# Altium PCB DIOT_temperature_logger.PCBDOC (part 4 of 5)
Units mm, origin at the board's own origin, x right, y up, seen from the top; angles counter-clockwise.
Board outline 238.48 x 100 mm, 4 copper layers (TOP, G1, L2, BOT), stack 1.55 mm thick; 582 components, 585 nets, 2348 pads, 974 vias.
Unrouted connection lines stored in the file: 797.
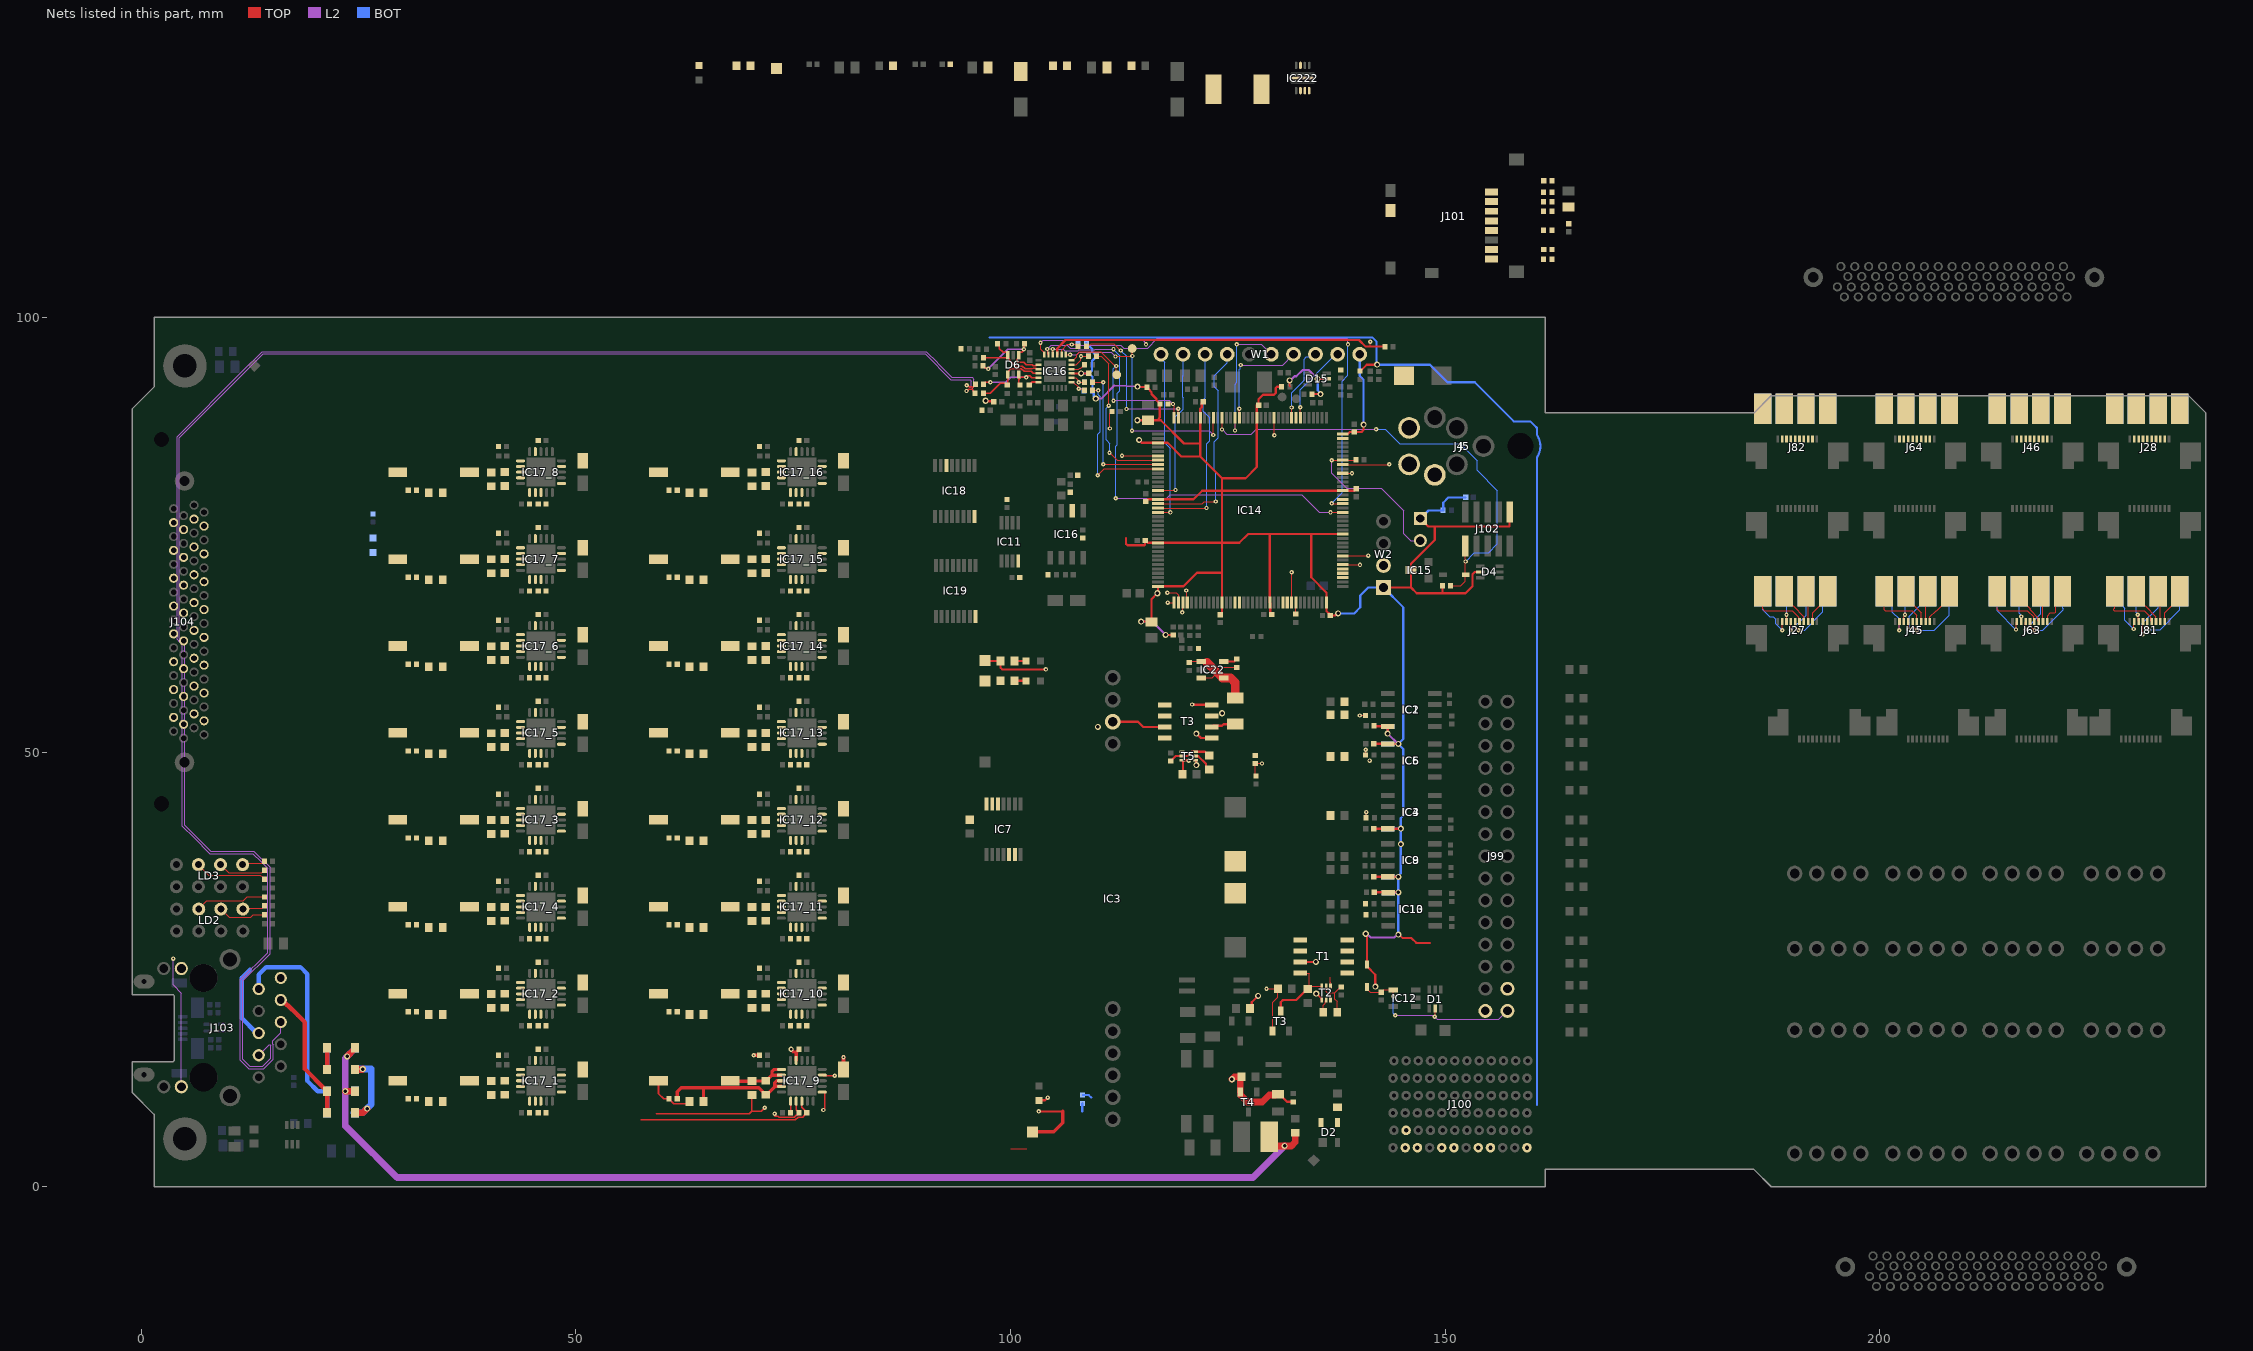
[diagram p6: the nets of this part, all layers, seen from the top]

## Via types
v1: diameter 0.5, hole 0.2, TOP to BOT, tented both sides, 922 vias
v2: diameter 0.7, hole 0.4, TOP to BOT, tented both sides, 39 vias
v3: diameter 0.5, hole 0.2, TOP to BOT, 5 vias
v4: diameter 0.66, hole 0.33, TOP to BOT, tented both sides, 5 vias
v5: diameter 0.6, hole 0.3, TOP to BOT, tented both sides, 2 vias
v6: diameter 0.6, hole 0.3, TOP to BOT, 1 vias

## Nets (pads, with @x,y where several pads share a name; then routed paths per layer and width w, separated by ;. In a path a pad name is that pad's centre, name@x,y a point inside that pad or via, vN(x,y) a via of type N, cw(c..) or ccw(c..) an arc to the next point about the centre after c; other vN are vias at no path point) (continued)
NetIC14_73: IC14.73 R23.1 | length 1.4
  TOP w0.127: v1(118.097,67.192) 118.098,67.194 IC14.73@118.828,67.194 ; R23.1@140.905,42.463 140.919,42.477 v1(140.919,43.098)
NetIC14_75: IC14.75 R25.1 | length 1.8
  TOP w0.127: v1(119.761,66.064) 119.828,66.131 IC14.75@119.828,67.194 ; R25.1@140.842,49.667 v1@140.842,50.279
  BOT w0.127: v1@140.842,50.279 v1(140.843,50.281)
NetIC14_76: IC14.76 R10.1@140.808,54.211 | length 2.1
  TOP w0.127: v1(120.218,68.589) 120.273,68.534 120.273,67.248 IC14.76@120.328,67.194 ; v1(140.18,54.211) R10.1@140.808,54.211
NetIC14_87: IC14.87 R38.1
NetIC14_88: IC14.88 R39.1
NetIC14_101: IC14.101 R50.1 | length 1.3
  TOP w0.127: R50.1@132.828,65.869 IC14.101@132.828,67.194
NetIC14_114: IC14.114 R31.2@130.75,22.784 T3.1@130.137,17.921 | length 8.4
  TOP w0.127: v1(129.45,22.784) R31.2@130.75,22.784 130.75,22.734 130.75,21.816 130.137,21.203 T3.1@130.137,17.921 ; IC14.114@138.203,71.569 138.223,71.548 140.18,71.548 v1(140.2,71.528)
NetIC14_138: IC14.138 JP1.2 R40.1 | length 19.2
  TOP w0.127: v1(136.951,83.569) IC14.138@138.203,83.569 139.699,83.569 R40.1@139.73,83.6
  L2 w0.127: v1(136.951,83.569) 136.951,82.049 138.65,80.35 142.653,80.35 145.247,77.756 145.247,75.103 146.029,74.321 JP1.2@147.131,74.321
NetIC16_7: IC16.7@105.837,77.761 R96.1 | length 1.7
  TOP w0.508: R96.1@105.825,79.5 105.825,77.773 IC16.7@105.837,77.761
NetIC16_7: IC16.7@107.02,92.55 R83.2 R86.2 | length 2.7
  TOP w0.127: IC16.7@107.02,92.55 107.225,92.55 107.773,92.001 107.773,91.946 107.873,91.847 107.928,91.847 108.001,91.774 108.326,91.774 R86.2@108.5,91.6
  BOT w0.127: v1(107.845,91.774) 107.892,91.822 108.248,91.822 108.475,91.595 R83.2@108.475,91.575
NetIC16_8: IC16.8@107.02,93.05 R82.2 R85.2@108.506,92.55 | length 2.3
  TOP w0.127: IC16.8@107.02,93.05 107.505,93.05 107.778,92.777 107.778,92.722 107.873,92.628 v1@107.927,92.628 ; v1@108.005,92.55 R85.2@108.506,92.55
  BOT w0.127: v1(107.85,92.55) R82.2@108.506,92.55
NetIC16_10: IC16.10 R87.1 | length 1.7
  TOP w0.127: IC16.10@107.02,94.05 107.863,94.05 107.937,94.124 108.1,94.124 108.506,94.53 R87.1@108.506,94.55
NetIC16_11: IC16.11 R84.2 R89.2 | length 3.5
  TOP w0.127: IC16.11@107.02,94.55 107.555,94.55 108.094,95.089 108.094,95.489 v1@108.127,95.522 ; v1(108.102,95.529) 108.962,95.529 R89.2@108.97,95.522
  BOT w0.127: v1(108.102,95.529) 108.937,95.529 R84.2@108.945,95.522
NetIC16_14: IC16.14 R92.2 R93.2 | length 3.6
  TOP w0.127: IC16.14@105.87,95.7 105.87,96.235 106.514,96.88 107.593,96.88 R93.2@107.778,96.695
  BOT w0.127: v1(107.055,96.88) 107.613,96.88 R92.2@107.778,97.045
NetIC16_24: IC16.24 R88.1 | length 1.2
  TOP w0.254: R88.1@102.145,92.245 102.165,92.245 102.47,92.55 IC16.24@103.22,92.55
NetIC17_1_1: IC17_1.1 IC17_1.2 R97_1.1 R99_1.1 SW1_1.1
NetIC17_1_3: IC17_1.3 IC17_1.4 R95_1.1 R96_1.1 R97_1.2
NetIC17_1_6: IC17_1.6 R98_1.2
NetIC17_2_1: IC17_2.1 IC17_2.2 R97_2.1 R99_2.1 SW1_2.1
NetIC17_2_3: IC17_2.3 IC17_2.4 R95_2.1 R96_2.1 R97_2.2
NetIC17_2_6: IC17_2.6 R98_2.2
NetIC17_3_1: IC17_3.1 IC17_3.2 R97_3.1 R99_3.1 SW1_3.1
NetIC17_3_3: IC17_3.3 IC17_3.4 R95_3.1 R96_3.1 R97_3.2
NetIC17_3_6: IC17_3.6 R98_3.2
NetIC17_4_1: IC17_4.1 IC17_4.2 R97_4.1 R99_4.1 SW1_4.1
NetIC17_4_3: IC17_4.3 IC17_4.4 R95_4.1 R96_4.1 R97_4.2
NetIC17_4_6: IC17_4.6 R98_4.2
NetIC17_5_1: IC17_5.1 IC17_5.2 R97_5.1 R99_5.1 SW1_5.1
NetIC17_5_3: IC17_5.3 IC17_5.4 R95_5.1 R96_5.1 R97_5.2
NetIC17_5_6: IC17_5.6 R98_5.2
NetIC17_6_1: IC17_6.1 IC17_6.2 R97_6.1 R99_6.1 SW1_6.1
NetIC17_6_3: IC17_6.3 IC17_6.4 R95_6.1 R96_6.1 R97_6.2
NetIC17_6_6: IC17_6.6 R98_6.2
NetIC17_7_1: IC17_7.1 IC17_7.2 R97_7.1 R99_7.1 SW1_7.1
NetIC17_7_3: IC17_7.3 IC17_7.4 R95_7.1 R96_7.1 R97_7.2
NetIC17_7_6: IC17_7.6 R98_7.2
NetIC17_8_1: IC17_8.1 IC17_8.2 R97_8.1 R99_8.1 SW1_8.1
NetIC17_8_3: IC17_8.3 IC17_8.4 R95_8.1 R96_8.1 R97_8.2
NetIC17_8_6: IC17_8.6 R98_8.2
NetIC17_9_1: IC17_9.1 IC17_9.2 R97_9.1 R99_9.1 SW1_9.1 | length 7.8
  TOP w0.381: SW1_9.1@67.773,12.147 70.25,12.147 R99_9.1@70.276,12.174 71.85,12.174 71.873,12.174 71.9,12.2 71.95,12.2 72.209,12.46 72.209,12.506 72.553,12.85 ; IC17_9.2@73.65,12.85 72.553,12.85 ; IC17_9.1@73.65,13.5 72.802,13.5 72.579,13.277 72.579,12.876 72.553,12.85
NetIC17_9_3: IC17_9.3 IC17_9.4 R95_9.1 R96_9.1 R97_9.2 | length 16.5
  TOP w0.381: R96_9.1@61.672,10.121 61.672,10.958 62.112,11.398 64.598,11.398 71.052,11.398 R97_9.2@71.85,10.6 71.9,10.6 71.95,10.6 72.884,11.535 72.884,11.984 73.1,12.2 IC17_9.3@73.65,12.2 ; R95_9.1@64.694,9.818 64.694,11.302 ; 72.884,11.55 IC17_9.4@73.65,11.55
NetIC17_9_6: IC17_9.6 R98_9.2 | length 1.3
  TOP w0.152: R98_9.2@74.7,8.53 IC17_9.6@74.7,9.85
NetIC17_10_1: IC17_10.1 IC17_10.2 R97_10.1 R99_10.1 SW1_10.1
NetIC17_10_3: IC17_10.3 IC17_10.4 R95_10.1 R96_10.1 R97_10.2
NetIC17_10_6: IC17_10.6 R98_10.2
NetIC17_11_1: IC17_11.1 IC17_11.2 R97_11.1 R99_11.1 SW1_11.1
NetIC17_11_3: IC17_11.3 IC17_11.4 R95_11.1 R96_11.1 R97_11.2
NetIC17_11_6: IC17_11.6 R98_11.2
NetIC17_12_1: IC17_12.1 IC17_12.2 R97_12.1 R99_12.1 SW1_12.1
NetIC17_12_3: IC17_12.3 IC17_12.4 R95_12.1 R96_12.1 R97_12.2
NetIC17_12_6: IC17_12.6 R98_12.2
NetIC17_13_1: IC17_13.1 IC17_13.2 R97_13.1 R99_13.1 SW1_13.1
NetIC17_13_3: IC17_13.3 IC17_13.4 R95_13.1 R96_13.1 R97_13.2
NetIC17_13_6: IC17_13.6 R98_13.2
NetIC17_14_1: IC17_14.1 IC17_14.2 R97_14.1 R99_14.1 SW1_14.1
NetIC17_14_3: IC17_14.3 IC17_14.4 R95_14.1 R96_14.1 R97_14.2
NetIC17_14_6: IC17_14.6 R98_14.2
NetIC17_15_1: IC17_15.1 IC17_15.2 R97_15.1 R99_15.1 SW1_15.1
NetIC17_15_3: IC17_15.3 IC17_15.4 R95_15.1 R96_15.1 R97_15.2
NetIC17_15_6: IC17_15.6 R98_15.2
NetIC17_16_1: IC17_16.1 IC17_16.2 R97_16.1 R99_16.1 SW1_16.1
NetIC17_16_3: IC17_16.3 IC17_16.4 R95_16.1 R96_16.1 R97_16.2
NetIC17_16_6: IC17_16.6 R98_16.2
NetIC22_1: IC22.1 R141.1 R154.2 | length 1.2
  TOP w0.127: R154.2@120.578,60.318 120.69,60.431 121.668,60.431 IC22.1@121.607,60.492
NetIC22_3: IC22.3 R131.1 | length 4.6
  TOP w0.127: IC22.3@121.95,58.531 123.215,58.531 124.435,59.751 R131.1@126,59.751
NetIC222_2: IC222.2 L555.1
NetIC222_5: IC222.5 R222.2 R333.1
NetIC222_10: IC222.10 R888.1
NetJ103_L1: J103.L1 R71.2
NetJ103_L3: J103.L3 R79.2 | length 15.1
  L2 w0.127: v1(3.7,26.25) 3.689,26.239 3.689,23.234 4.639,22.284 J103.L3@4.639,11.51
NetLD1_1: LD1.1 R35.2@26.679,77.39 | length 1.8
  TOP w0.127: 100.018,4.353 101.856,4.353
NetLD2_2: LD2.2@4.099,31.946 R58.2 | length 10.8
  TOP w0.127: LD2.2@4.099,31.946 5.294,30.752 13.699,30.752 13.948,30.502 13.968,30.502 14.195,30.276 R58.2@14.195,30.256
NetLD2_2: LD2.2@103.272,9.953 R90.1@108.275,10.545 | length 2.3
  TOP w0.254: LD2.2@103.272,9.953 103.974,9.953 104.285,10.264 v1(104.283,10.264)
  BOT w0.254: R90.1@108.275,10.545 109.002,10.545 109.283,10.264
NetLD2_4: LD2.4 R59.2 | length 8.1
  TOP w0.127: LD2.4@6.639,31.946 7.58,32.887 11.744,32.887 12.195,33.337 R59.2@14.195,33.337
NetLD2_6: LD2.6 R61.2 | length 5.5
  TOP w0.127: LD2.6@9.179,31.946 10.12,31.006 12.627,31.006 12.904,31.283 R61.2@14.195,31.283
NetLD2_8: LD2.8 R64.2@14.195,32.31 | length 2.6
  TOP w0.127: LD2.8@11.719,31.946 11.836,32.063 13.968,32.063 R64.2@14.195,32.29
NetLD3_2: LD3.2@4.06,37.052 R65.2@14.195,34.364 | length 12
  TOP w0.127: LD3.2@4.06,37.052 5.431,35.68 6.761,35.68 7.87,34.572 7.87,34.451 8.75,33.571 12.07,33.571 12.862,34.364 R65.2@14.195,34.364
NetLD3_2: LD3.2@101.789,58.197 R94.2@100.466,58.205 | length 1.3
  TOP w0.254: R94.2@100.466,58.205 100.474,58.197 LD3.2@101.789,58.197
NetLD3_4: LD3.4 R66.2@14.195,35.391 | length 8.3
  TOP w0.127: LD3.4@6.6,37.052 7.795,35.857 13.728,35.857 13.948,35.637 13.968,35.637 14.195,35.411 R66.2@14.195,35.391
NetLD3_6: LD3.6 R68.2@14.195,36.418 | length 5.6
  TOP w0.127: LD3.6@9.14,37.052 10.081,36.111 13.908,36.111 14.195,36.398 R68.2@14.195,36.418
NetLD3_8: LD3.8 R69.2@14.195,37.445 | length 3
  TOP w0.127: LD3.8@11.68,37.052 11.827,37.198 13.5,37.198 ; 13.5,37.2 13.968,37.2 R69.2@14.195,37.426 ; R69.2@13.968,37.198 14.195,37.425 R69.2@14.195,37.426 ; R69.2@14.195,37.445 R69.2@14.195,37.426
NetLD6_2: LD6.2 R10.2@100.466,60.476 | length 1.3
  TOP w0.254: R10.2@100.466,60.476 100.474,60.468 LD6.2@101.789,60.468
NetLD10_2: LD10.2 R54.2@70.1,128.925
NetR26_1: R26.1 T2.2 | length 1.6
  TOP w0.127: R26.1@135.97,20.071 135.97,20.873 136.212,21.116 136.212,21.42 T2.2@136.299,21.506
NetR26_2: R26.2 R27.2 T2.3 T2.5 | length 5.9
  TOP w0.127: T2.5@136.299,23.086 136.299,22.448 136.441,22.306 136.875,22.306 ; T2.3@136.799,21.506 136.799,22.23 136.875,22.306 ; R26.2@137.57,20.071 137.57,21.322 137.31,21.582 137.31,22.306 ; R27.2@138.02,22.996 138,22.996 137.31,22.306 ; 136.875,22.306 137.31,22.306
NetR28_2: R28.2 T1.4 T2.6 T3.3@131.087,20.221 | length 8.9
  TOP w0.127: T1.4@133.32,24.591 134.286,24.591 134.36,24.517 134.36,22.916 134.53,23.086 T2.6@135.799,23.086
  TOP w0.254: T3.3@131.087,20.221 131.087,21.222 131.349,21.484 132.877,21.484 ; 132.877,21.484 134.14,22.746 R28.2@134.19,22.746
NetR65_1: R65.1@122.865,48 T5.2 | length 2.4
  TOP w0.254: T5.2@121.29,49.55 121.313,49.527 121.608,49.527 122.492,48.642 122.492,48.323 122.815,48 R65.1@122.865,48
NetR65_2: R65.2@122.865,49.6 R85.2@118.415,48.978 T5.3 T5.5 | length 5.1
  TOP w0.254: R85.2@118.415,48.978 118.435,48.978 119.007,49.55 T5.5@119.71,49.55 120.376,49.55 120.853,50.027 121.267,50.027 T5.3@121.29,50.05 122.366,50.05 122.815,49.6 R65.2@122.865,49.6
NetR68_2: R68.2@119.8,47.458 T3.4 T5.6 | length 4.4
  TOP w0.254: T5.6@119.71,49.05 T5.6@119.805,49.05 ; R68.2@119.828,47.733 119.828,49.027 T5.6@119.805,49.05 ; v1(120.5,49.014) 120.464,49.014 120.428,49.05 T5.6@119.805,49.05 ; v1(120.887,55.48) 120.912,55.456 123.141,55.456 T3.4@123.165,55.431
NetR95_1_2: R95_1.2 R96_1.2 SW1_1.2
NetR95_2_2: R95_2.2 R96_2.2 SW1_2.2
NetR95_3_2: R95_3.2 R96_3.2 SW1_3.2
NetR95_4_2: R95_4.2 R96_4.2 SW1_4.2
NetR95_5_2: R95_5.2 R96_5.2 SW1_5.2
NetR95_6_2: R95_6.2 R96_6.2 SW1_6.2
NetR95_7_2: R95_7.2 R96_7.2 SW1_7.2
NetR95_8_2: R95_8.2 R96_8.2 SW1_8.2
NetR95_9_2: R95_9.2 R96_9.2 SW1_9.2 | length 5.6
  TOP w0.2: SW1_9.2@59.523,12.2 59.523,10.7 60.102,10.121 R96_9.2@60.732,10.121 ; R96_9.2@60.732,10.101 61.275,9.558 62.835,9.558 R95_9.2@63.094,9.818
NetR95_10_2: R95_10.2 R96_10.2 SW1_10.2
NetR95_11_2: R95_11.2 R96_11.2 SW1_11.2
NetR95_12_2: R95_12.2 R96_12.2 SW1_12.2
NetR95_13_2: R95_13.2 R96_13.2 SW1_13.2
NetR95_14_2: R95_14.2 R96_14.2 SW1_14.2
NetR95_15_2: R95_15.2 R96_15.2 SW1_15.2
NetR95_16_2: R95_16.2 R96_16.2 SW1_16.2
P3V0REF: C27.2@106.875,79.9 C38.1@107.75,81.832 IC16.6@107.107,77.761 R54.1@68.5,128.925 R67.2@111.681,89.175 TP10.1 | length 2.1
  TOP w0.127: v1(111.43,87.224) 111.43,88.924 R67.2@111.681,89.175
  L2 w0.127: v1@111.385,87.179 v1(111.43,87.224)
P3V3: C1.2 C2.2 C3.2@141.762,50.968 C5.2@141.762,35.656 C8.2 C13.1 C14.2 C22.1 C23.1 C24.1 C25.1 C26.1 C27.1@116.207,64.95 C28.1 C29.1 C30.1 C31.1 C32.1 C33.1 C41.2 C48_1.1 C48_2.1 C48_3.1 C48_4.1 C48_5.1 C48_6.1 C48_7.1 C48_8.1 C48_9.1 C48_10.1 C48_11.1 C48_12.1 C48_13.1 C48_14.1 C48_15.1 C48_16.1 C49_1.1 C49_2.1 C49_3.1 C49_4.1 C49_5.1 C49_6.1 C49_7.1 C49_8.1 C49_9.1 C49_10.1 C49_11.1 C49_12.1 C49_13.1 C49_14.1 C49_15.1 C49_16.1 C666.2 C777.2 C888.2 D2.4 D3.2 D4.5 D15.5 IC1.1 IC2.8 IC3.1@143.394,41.193 IC4.8 IC5.8 IC6.1@143.394,50.937 IC8.1 IC9.8 IC10.8 IC13.1 IC14.17 IC14.30 IC14.39 IC14.52 IC14.62 IC14.72 IC14.84 IC14.95 IC14.108 IC14.121 IC14.131 IC14.143 IC14.144 IC15.3 IC16.9 IC17_1.19 IC17_2.19 IC17_3.19 IC17_4.19 IC17_5.19 IC17_6.19 IC17_7.19 IC17_8.19 IC17_9.19 IC17_10.19 IC17_11.19 IC17_12.19 IC17_13.19 IC17_14.19 IC17_15.19 IC17_16.19 IC18.6 IC18.16 IC19.16 IC222.6 J101.4 J102.1 JP1.1 L1.2@115.693,91.951 L2.2 L3_1.2 L3_2.2 L3_3.2 L3_4.2 L3_5.2 L3_6.2 L3_7.2 L3_8.2 L3_9.2 L3_10.2 L3_11.2 L3_12.2 L3_13.2 L3_14.2 L3_15.2 L3_16.2 L555.2 LD1.2 R16.2@127.534,20.502 R37.1 R43.2 R48.2 R51.2 R52.2 R53.2 R54.2@162.26,110 R55.2 R56.2 R57.2 R60.2 R62.1 R63.1 R67.2@108.293,74.599 R70.1 R82.1 R83.1 R84.1 R90.1@117.177,90.037 R92.1 R94.1@98.866,58.205 R333.2 TP8.1 W1.10 W2.1 | length 323.9
  TOP w0.254: v2(97.136,90.41) 97.191,90.355 98.016,90.355 L2.2@98.071,90.3 ; IC16.9@107.02,93.55 v2(108.127,93.55) C41.2@108.99,93.55 ; 113.293,74.599 113.293,73.931 113.448,73.777 115.407,73.777 115.482,73.852 C29.1@115.482,74.341 115.754,74.069 IC14.62@116.953,74.069 124.328,74.069 ; v2(114.588,88.169) C33.1@115.828,88.169 116.863,88.169 ; v2(114.606,92.03) 114.645,91.99 115.653,91.99 L1.2@115.693,91.951 ; v2(114.781,85.894) 115.106,85.569 IC14.39@116.953,85.569 118.072,85.569 119.647,83.993 121.828,83.993 ; v2(115.017,65.011) 116.146,65.011 C27.1@116.207,64.95 116.207,67.581 v2(116.894,68.269) 116.953,68.327 IC14.72@116.953,69.069 119.886,69.069 121.449,70.631 124.328,70.631 ; C23.1@115.553,78.819 115.803,79.069 IC14.52@116.953,79.069 121.057,79.069 122.057,80.069 124.328,80.069 ; L1.2@115.693,92.03 L1.2@115.693,91.951 ; v2(117.85,63.475) 117.865,63.46 R43.2@118.7,63.46 ; C24.1@122.178,90.3 121.995,90.117 121.995,89.667 121.828,89.5 121.828,85.489 ; C30.1@124.111,65.809 124.328,66.026 124.328,70.631 ; R16.2@127.211,20.129 127.534,20.452 R16.2@127.534,20.502 127.753,20.722 127.753,21.234 v2(128.48,21.962) ; C26.1@128.328,89.912 IC14.17@128.328,88.444 128.328,82.777 127.044,81.493 124.328,81.493 ; C26.1@128.535,89.912 128.535,90.603 129.041,91.108 130.308,91.108 130.503,91.303 130.503,91.872 130.645,92.014 R63.1@131.194,92.014 ; C31.1@130.028,65.819 129.876,65.971 129.876,67.146 IC14.95@129.828,67.194 129.828,75.021 129.876,75.069 ; v2(132.103,92.755) 132.103,92.197 132.134,92.034 ; R62.1@134.688,91.175 v2(135.653,91.175) ; v2(135.328,92.925) D15.5@136.375,92.925 D15.5@136.448,92.998 ; v2(137.687,65.95) 137.574,65.95 137.333,65.708 C32.1@136.778,65.708 136.595,65.891 136.595,65.971 136.328,66.238 IC14.108@136.328,67.194 136.328,68.36 134.587,70.1 134.587,75.069 ; R48.2@137.98,93.97 R48.2@138,93.97 R48.2@138.02,93.97 ; IC14.121@138.203,75.069 134.587,75.069 ; IC14.144@138.203,86.569 138.753,86.569 139.003,86.819 C28.1@139.553,86.819 140.37,86.819 140.613,87.061 v2(140.613,87.664) ; C25.1@139.778,80.269 139.578,80.069 IC14.131@138.203,80.069 124.328,80.069 ; v2(140.862,29.108) 141,28.97 D3.2@141,25.565 141,25.365 141.961,24.404 v2(141.961,23.038) ; C5.2@141.762,35.656 IC9.8@143.394,35.656 v2(144.602,35.656) ; C1.2@141.762,41.193 IC4.8@143.394,41.193 v2(144.893,41.193) ; C3.2@141.762,50.968 141.777,50.952 143.378,50.952 IC6.1@143.394,50.937 ; C8.2@141.812,53.025 141.854,52.983 143.351,52.983 IC2.8@143.394,52.941 143.394,52.14 v2(143.378,52.124) ; C2.2@141.845,33.875 v2(144.602,33.875) ; W2.1@142.9,68.92 146.056,68.92 ; IC6.1@143.394,50.937 v2(144.602,50.936) ; v2(144.602,29.007) 144.723,29.007 145.126,28.604 146.114,28.604 146.658,28.06 146.658,28.04 ; 146.71,28.091 146.659,28.04 ; JP1.1@147.131,76.861 148.053,75.939 148.793,75.939 ; 148.217,28.04 146.659,28.04 ; R70.1@149.684,69.119 R70.1@149.686,69.121 149.686,68.269 ; D4.5@154.04,70.713 153.389,70.713 153.15,70.474 153.15,69.095 152.324,68.269 149.686,68.269 ; J102.1@157.4,77.5 157.4,75.939 148.793,75.939 ; L1.2@115.693,91.951 115.693,91.941 116.059,91.575 116.059,91.536 116.207,91.388 116.207,91.174 116.782,90.599 116.782,90.452 117.177,90.057 R90.1@117.177,90.037 117.177,88.482 116.863,88.169 ; 116.863,88.169 117.27,88.169 119.949,85.489 121.828,85.489 ; 121.828,83.993 121.828,85.489 ; 121.828,83.993 124.328,81.493 ; 124.328,70.631 124.328,74.069 ; 124.328,74.069 124.328,80.069 ; 124.328,74.069 126.305,74.069 127.305,75.069 129.876,75.069 ; 124.328,80.069 124.328,81.493 ; 129.876,75.069 134.587,75.069 ; 146.056,68.92 146.708,68.269 149.686,68.269 ; 146.056,68.92 IC15.3@146.056,70.921 146.056,71.663 148.793,74.4 148.793,75.939
  TOP w0.381: v1@70.5,15.148 L3_9.2@71.125,15.148 ; v6(74.762,15.83) 75.092,15.5 75.35,15.5 ; IC17_9.19@75.35,14.55 75.35,15.5 ; C48_9.1@75.68,15.83 75.35,15.5
  TOP w0.5: C49_9.1@80.8,13.5 v1(80.8,14.913)
  L2 w0.254: v2(109.8,90.65) 110.442,90.65 111.968,92.176 114.606,92.034 v2(114.606,92.03) ; v2@109.979,52.823 v2(110.047,52.891) ; v2(115.017,65.011) 116.314,65.011 v2(117.85,63.475) ; v2(132.103,92.755) 132.195,92.755 132.666,93.226 132.873,93.226 133.576,93.929 134.323,93.929 v2(135.328,92.925) ; v2(140.862,29.108) 140.983,29.108 141.42,28.671 144.146,28.671 144.482,29.007 v2(144.602,29.007) ; v2(143.378,52.124) 143.396,52.124 144.584,50.936 v2(144.602,50.936)
  BOT w0.254: v2(108.127,93.55) 109.034,93.55 ; R92.1@108.718,97.045 108.718,97.025 109.393,96.35 109.393,96.034 109.885,95.542 R84.1@109.885,95.522 109.885,95.502 109.362,94.98 109.362,93.879 109.034,93.55 ; v2(109.8,90.65) 109.566,90.884 109.566,91.424 R83.1@109.415,91.575 109.415,93.169 109.034,93.55 ; v2(135.328,92.925) 135.328,91.621 135.653,91.296 v2(135.653,91.175) ; v2(137.687,65.95) 139.528,65.95 140.223,66.645 140.223,68.004 141.138,68.92 W2.1@142.9,68.92 145.175,66.645 145.175,51.509 v2(144.602,50.936) ; W1.10@140.16,95.756 140.16,93.288 140.613,92.835 v2(140.613,87.664) ; v2(143.378,52.124) 143.378,52.925 IC1.1@143.394,52.941 ; IC8.1@143.394,35.656 v2(144.602,35.656) 144.602,35.777 144.893,36.068 v2(144.893,39.408) v2(144.893,41.193) ; IC3.1@143.394,41.193 v2(144.893,41.193) ; IC5.8@143.394,50.936 v2(144.602,50.936) ; IC10.8@143.425,33.83 144.557,33.83 v2(144.602,33.875) ; v2(144.602,29.007) v2(144.602,33.875) ; v2@144.602,35.64 v2(144.602,33.875) ; JP1.1@147.131,76.861 148.066,77.796 R60.2@149.761,77.796 149.761,78.676 150.383,79.297 C22.1@152.343,79.297 ; v2(144.602,50.936) 145.175,50.364 145.175,42.673 144.893,42.392 v2(144.893,41.193)
  other v1: 70.477,15.125
P3V3_MP: C4.2@95.325,42.226 C6.2@142.643,22.392 C7.2@101.069,70.079 D1.5 D3.1 IC7.14 IC11.8 IC12.4 J99.30 R10.1@98.866,60.476 TP3.1 | length 28.6
  TOP w0.127: D3.1@141,22.765 141.373,22.392 C6.2@142.643,22.392 142.903,22.652 IC12.4@144.019,22.652 v1(144.019,21.902) ; v1(148.794,19.559) 148.837,19.603 D1.5@148.837,20.502
  TOP w0.254: TP3.1@97.076,60.524 97.124,60.476 R10.1@98.866,60.476 98.866,59.71 99.066,59.51 v1(104.074,59.51)
  L2 w0.127: v1(144.254,19.721) 148.531,19.721 148.693,19.559 v1(148.794,19.559) 149.105,19.248 156.164,19.248 J99.30@157.154,20.238
  BOT w0.127: v1(144.019,21.902) 144.019,19.982 144.254,19.746 v1(144.254,19.721)
P12V0: D333.2 IC22.4 J100.A1 J100.D1 J100.E1 J100.G1 J100.H1 J100.J1 J100.K1 R41.2 R69.2@125.85,56.211 R90.2@108.275,9.605 R97.1 TP6.1 | length 163.9
  TOP w0.254: v1(103.257,8.677) 105.998,8.677 ; R97.1@104.33,70.4 R97.1@104.33,70.42 ; R41.2@140.2,93.804 140.22,93.804 140.972,94.556 v2(142.167,94.556)
  TOP w0.4: TP6.1@102.517,6.325 104.956,6.325 105.998,7.366 105.998,8.677
  TOP w1.016: 122.589,60.318 IC22.4@124.376,58.531 ; IC22.4@124.55,58.531 125.304,58.531 125.85,57.985 R69.2@125.85,56.211
  BOT w0.254: 97.569,97.696 141.606,97.696 142.109,97.192 142.109,94.614 v2(142.167,94.556) 145.263,94.556 148.238,94.556 150.263,92.531 153.387,92.531 157.881,88.036 159.791,88.036 160.471,87.357 160.545,87.282 160.545,86.474 cw(c158.641,85.185) 160.941,85.181 160.941,85.164 cw(c158.641,85.185) 160.545,83.895 160.545,9.415 ; 108.257,8.677 108.257,9.587 R90.2@108.275,9.605
P12V0_EEM: J99.28 J99.29 T1.5 T1.6 T1.7 T1.8 T2.4 | length 1.1
  TOP w0.127: T2.4@136.799,23.086 136.799,23.5 136.777,23.522 136.777,23.627 136.799,23.649 136.799,24.117 ; T1.5@138.664,24.647 T1.5@138.72,24.591
P12V0_IN: D24.1 IC22.5 J4.3@148.797,81.885 J5.3@145.841,87.285 J5.4@145.841,83.085 R69.1@125.85,53.211 R131.2 T1.1 T1.2 T1.3 T2.1 T3.1@123.165,51.621 T3.2@123.165,52.891 T3.3@123.165,54.161 T5.1 | length 9.5
  TOP w0.254: T5.1@121.29,49.05 121.352,49.05 121.375,49.027 121.333,49.027 121.333,48.546 v2(121.375,48.504) ; v2(121.375,52.124) 121.404,52.124 121.906,51.621 T3.1@123.165,51.621 ; T3.2@123.165,52.891 123.3,53.026 124.321,53.026 124.506,53.211 R69.1@125.85,53.211 ; IC22.5@124.55,60.431 124.8,60.431 R131.2@125.728,60.431 ; T1.3@133.32,25.861 T1.3@133.32,25.861 v2(135.129,25.863) v2(135.129,25.863) ; v2(135.161,22.222) 135.218,22.222 135.799,21.641 T2.1@135.799,21.506
  other v2: 124.328,54.471
P12V0_POE: C3.1@125.85,37.458 C4.1@125.85,33.742 IC3.8@111.76,53.485 R30.2@128.141,49.633 T3.5 T3.6 T3.7 T3.8 T5.4 | length 6.3
  TOP w0.254: IC3.8@111.76,53.485 114.662,53.485 115.256,52.891 T3.7@117.765,52.891
PC13: IC14.7 W1.9 | length 9.2
  TOP w0.127: IC14.7@133.328,88.444 v1(133.328,89.675)
  BOT w0.127: v1(133.328,89.675) 133.328,91.689 137.394,95.756 W1.9@137.62,95.756
PC14: IC14.8
PC15: IC14.9 W1.8 | length 8.9
  TOP w0.127: IC14.9@132.328,88.444 v1(132.328,89.628)
  BOT w0.127: v1(132.328,89.628) 132.328,91.311 133.764,92.747 133.764,95.184 134.039,95.459 134.783,95.459 W1.8@135.08,95.756
PF9: IC14.21
PF9_ADCIN: W1.7 | length 12.7
  TOP w0.127: 126.328,88.444 v1(126.328,89.5)
  L2 w0.127: v1(126.481,94.518) 131.302,94.518 W1.7@132.54,95.756
  BOT w0.127: v1(126.328,89.5) 126.328,94.014 126.41,94.096 126.41,94.446 v1(126.481,94.518)
PF10: IC14.22
PF10_ADCIN: W1.6 | length 15.9
  TOP w0.127: v1(125.828,86.994) 125.828,88.444
  L2 w0.127: v1(126.035,96.888) 127.257,96.888 128.868,96.888 W1.6@130,95.756
  BOT w0.127: v1(125.828,86.994) 125.828,92.324 126.035,92.531 v1(126.035,96.888)
PF12: IC14.50 W1.2 | length 18
  TOP w0.127: IC14.50@116.953,80.069 116.987,80.103 118.939,80.103 v1(118.974,80.137)
  BOT w0.127: v1(118.974,80.137) 118.974,88.546 119.84,89.413 119.84,90.773 119.818,90.795 119.818,93.273 119.84,93.295 W1.2@119.84,95.756
PF13: IC14.53 W1.4 | length 24.7
  TOP w0.127: IC14.53@116.953,78.569 122.026,78.569 122.276,78.819 v1(123.6,78.819)
  BOT w0.127: v1(123.6,78.819) 123.6,82.223 123.435,82.388 123.435,85.691 123.876,86.132 123.876,91.572 123.435,92.013 123.435,93.301 124.92,94.786 W1.4@124.92,95.756
PF14: IC14.54 W1.3 | length 23.8
  TOP w0.127: IC14.54@116.953,78.069 122.544,78.069 v1(122.55,78.075)
  BOT w0.127: W1.3@122.38,95.756 122.418,95.718 122.418,90.729 122.178,90.488 122.178,89.172 122.887,88.462 122.887,85.827 122.542,85.482 122.542,78.083 v1(122.55,78.075)
PF15: IC14.55 W1.1 | length 20.1
  TOP w0.127: IC14.55@116.953,77.569 v1(118.391,77.569)
  BOT w0.127: W1.1@117.3,95.756 117.3,95.265 117.743,94.822 117.743,85.588 118.391,84.941 v1(118.391,77.569)
PFORCE_N0: J27.5 J35.1 | length 7.4
  TOP w0.127: J27.5@190.255,65 190.255,64.416 v1(190.644,64.027)
  BOT w0.127: v1(190.644,64.027) 191.334,64.027 193.433,66.125 193.433,67.938 J35.1@193.995,68.5
PFORCE_N1: J27.9 J43.1 | length 4.2
  TOP w0.127: J27.9@192.245,65 192.245,66 193.995,67.75 J43.1@193.995,68.5
PFORCE_N2: J45.5 J53.1 | length 8.4
  TOP w0.127: J45.5@203.755,65 203.841,64.913 203.841,64.404 v1(204.245,64)
  BOT w0.127: v1(204.245,64) 206.267,64 207.995,65.728 J53.1@207.995,68.5
PFORCE_N3: J45.9 J61.1 | length 4.5
  TOP w0.127: J45.9@205.745,65 205.745,65.562 206.444,66.261 206.505,66.261 207.995,67.75 J61.1@207.995,68.5
PFORCE_N4: J63.5 J71.1 | length 7.7
  TOP w0.127: J63.5@217.255,65 217.341,64.913 217.341,64.432 v1(217.774,64)
  BOT w0.127: v1(217.774,64) 218.705,64 221.071,66.366 221.071,66.481 220.995,66.557 J71.1@220.995,68.5
PFORCE_N5: J63.9 J79.1 | length 4.5
  TOP w0.127: J63.9@219.245,65 219.274,65.029 219.274,65.689 219.585,66 220.12,66 220.195,66.074 220.195,67.7 J79.1@220.995,68.5
PFORCE_N6: J81.5 J89.1 | length 7.6
  TOP w0.127: J81.5@230.755,65 230.755,64.327 230.884,64.198 v1(230.884,64.097)
  BOT w0.127: v1(230.884,64.097) 232.226,64.097 234.495,66.365 J89.1@234.495,68.5
PFORCE_N7: J81.9 J97.1 | length 4.2
  TOP w0.127: J81.9@232.745,65 232.745,66 234.495,67.75 J97.1@234.495,68.5
PFORCE_N8: J28.5 J36.1
PFORCE_N9: J28.9 J44.1
PFORCE_N10: J46.5 J54.1
PFORCE_N11: J46.9 J62.1
PFORCE_N12: J64.5 J72.1
PFORCE_N13: J64.9 J80.1
PFORCE_N14: J82.5 J90.1
PFORCE_N15: J82.9 J98.1
PFORCE_P0: J27.2 J29.1 | length 6.6
  TOP w0.127: J27.2@188.745,65 188.749,64.996 188.749,64.022 v1(188.754,64.018)
  BOT w0.127: J29.1@186.495,68.5 186.495,66.398 187.329,65.563 187.715,65.563 187.988,65.29 187.988,64.783 v1(188.754,64.018)
PFORCE_P1: J27.6 J37.1 | length 7.1
  TOP w0.127: J37.1@186.495,68.5 186.495,66.481 186.715,66.261 189.887,66.261 190.658,65.489 190.658,65.087 J27.6@190.745,65
PFORCE_P2: J45.2 J47.1 | length 6.2
  TOP w0.127: v1(202.214,64.027) 202.229,64.042 202.229,64.985 J45.2@202.245,65
  BOT w0.127: J47.1@200.495,68.5 201.431,67.564 201.431,66.097 202.214,65.315 v1(202.214,64.027)
PFORCE_P3: J45.6 J55.1 | length 6.9
  TOP w0.127: J55.1@200.495,68.5 200.495,66.361 200.595,66.261 203.733,66.261 204.245,65.749 J45.6@204.245,65
PFORCE_P4: J63.2 J65.1 | length 6.2
  TOP w0.127: v1(215.635,64.097) 215.69,64.152 215.69,64.945 J63.2@215.745,65
  BOT w0.127: J65.1@213.495,68.5 213.495,66.237 v1(215.635,64.097)
PFORCE_P5: J63.6 J73.1 | length 7.2
  TOP w0.127: J73.1@213.495,68.5 213.495,66.4 213.635,66.26 216.96,66.26 217.658,65.562 217.658,65.087 J63.6@217.745,65
PFORCE_P6: J81.2 J83.1 | length 6.1
  TOP w0.127: v1(229.174,64.152) 229.209,64.188 229.209,64.965 J81.2@229.245,65
  BOT w0.127: J83.1@226.995,68.5 226.995,67.75 228.174,66.571 228.174,65.152 v1(229.174,64.152)
PFORCE_P7: J81.6 J91.1 | length 7.4
  TOP w0.127: J91.1@226.995,68.5 226.995,66.559 226.897,66.462 226.897,66.335 226.972,66.261 230.403,66.261 231.158,65.505 231.158,65.087 J81.6@231.245,65
PFORCE_P8: J28.2 J30.1
PFORCE_P9: J28.6 J38.1
PFORCE_P10: J46.2 J48.1
PFORCE_P11: J46.6 J56.1
PFORCE_P12: J64.2 J66.1
PFORCE_P13: J64.6 J74.1
PFORCE_P14: J82.2 J84.1
PFORCE_P15: J82.6 J92.1
PGOOD: IC222.7
PHY_NRST: IC14.129 IC16.15 R94.2@143.059,96.631 | length 39.7
  TOP w0.127: 141.364,96.631 v1(141.364,97.192)
  TOP w0.254: IC16.15@105.37,95.7 105.37,96.426 106.336,97.392 140.084,97.392 140.845,96.631 141.364,96.631 R94.2@143.059,96.631
PHY_RD_N: D6.1 IC16.22 R78.1 R80.2 | length 8.8
  TOP w0.152: R78.1@96.869,91.285 97.67,91.285 98.794,92.409 99.392,92.409 R80.2@99.606,92.195 99.66,92.249 99.66,93.705 99.906,93.952 99.906,93.989 100.025,94.108 101.244,94.108 101.573,93.779 102.4,93.779 102.629,93.55 IC16.22@103.22,93.55
PHY_RD_P: D6.3 IC16.23 R77.1 R81.2 | length 9
  TOP w0.152: R77.1@96.899,92.3 96.899,92.32 97.113,92.534 97.186,92.534 97.202,92.55 v1@97.649,92.55 ; 100.96,92.926 D6.3@100.96,93.43 ; R81.2@101.09,92.195 100.96,92.325 100.96,92.848 101.006,92.895 101.006,92.926 101.097,93.017 101.171,93.091 101.762,93.091 101.803,93.05 101.837,93.05 102.066,93.279 102.193,93.279 102.421,93.05 IC16.23@103.22,93.05
  L2 w0.152: v1(97.69,92.55) 99.476,92.55 100.017,93.091 v1(101.803,93.091)
PHY_TD_N: D6.4 IC16.20 R73.1 R75.1 | length 11.9
  TOP w0.152: R75.1@96.973,94.569 R75.1@96.839,94.435 96.839,94.415 97.053,94.201 97.073,94.201 97.138,94.136 97.365,94.136 v1(97.431,94.069) ; v1(101.543,96.345) 101.543,96.869 101.543,96.889 R73.1@101.606,96.952 101.606,96.889 101.606,96.345 101.476,96.215 101.476,96.146 101.299,95.969 101.083,95.969 100.96,95.846 100.96,95.355 100.72,95.116 100.72,94.952 100.81,94.863 101.498,94.863 101.826,94.536 102.525,94.536 102.621,94.44 102.904,94.44 103.015,94.55 IC16.20@103.22,94.55
  L2 w0.152: v1(97.431,94.069) 99.706,96.345 v1(101.543,96.345)
PHY_TD_P: D6.6 IC16.21 R72.1 R74.1 | length 9.3
  TOP w0.152: R74.1@96.869,95.335 96.889,95.355 D6.6@99.66,95.355 ; R72.1@98.521,96.96 98.734,96.747 98.734,96.409 99.174,95.969 99.536,95.969 99.66,95.846 D6.6@99.66,95.355 ; IC16.21@103.22,94.05 103.015,94.05 102.904,94.16 102.624,94.16 102.525,94.061 101.687,94.061 101.359,94.388 100.59,94.388 99.906,95.071 99.906,95.108 D6.6@99.66,95.355
POE_IN1: D7.2 D11.1 J103.5 | length 11.1
  BOT w0.508: 12.537,24.982 11.585,24.031 11.585,19.406 13.316,17.675 J103.5@13.539,17.675 ; D11.1@21.4,13.5 D7.2@21.4,16
POE_IN2: D8.2 D12.1 J103.8 | length 15.4
  TOP w0.508: J103.8@16.079,21.485 16.237,21.485 16.823,20.899 16.889,20.899 18.033,19.754 18.85,18.938 18.85,13.55 21.114,11.286 21.194,11.286 21.4,11.08 D8.2@21.4,11 ; D12.1@21.4,8.5 21.4,10.9 D8.2@21.5,11
POE_IN3: D9.2 D13.1 J103.10 | length 2.5
  TOP w0.508: D13.1@21.4,13.5 D9.2@21.4,16
POE_IN4: D10.2 D14.1 J103.9 | length 25.5
  BOT w0.508: J103.9@13.539,22.755 13.539,24.408 14.402,25.271 18.329,25.271 19.141,24.459 19.141,12.178 20.319,11 D10.2@21.4,11 D14.1@21.4,8.5
POE_PWR_SRC: IC14.13 R30.1@128.141,48.693 R31.2@128.234,47.256 | length 4.3
  TOP w0.127: R31.2@128.234,47.256 128.141,47.349 R30.1@128.141,48.693 v1(128.919,48.693) ; IC14.13@130.328,88.444 130.339,88.432 130.339,86.436 v1(130.35,86.425)
  other v1: 141.302,49.02
POE_VC+: D7.1 D8.1 D9.1 D10.1 L1.1@129.772,5.74 R14.2@132.75,6.222 | length 129
  TOP w0.762: v2(23.5,11) D8.1@24.5,11 ; v2(23.7,15) 24.521,15.821 D9.1@24.521,15.841 ; L1.1@129.747,5.283 130.331,4.699 131.362,4.699 v2(131.525,4.699) 132.304,4.699 132.75,5.145 R14.2@132.75,6.222
  L2 w0.762: v2(23.7,15) 23.5,14.8 23.5,7 26.569,3.931 26.593,3.931 27.431,3.093 29.455,1.069 127.895,1.069 v2(131.525,4.699)
  BOT w0.762: v2(23.5,11) D10.1@24.6,11 ; v2(23.7,15) 24.521,15.821 D7.1@24.521,15.841
POE_VC-: D11.2 D12.2 D13.2 D14.2 R35.1@132.5,9.78 R64.1@130.763,10.652 R66.1@126.583,12.647 T4.2 | length 21.2
  TOP w0.254: R64.1@130.763,10.652 130.988,10.652 131.336,10.304 131.336,10.247 131.803,9.78 R35.1@132.5,9.78
  TOP w0.762: D12.2@24.6,8.5 25.5,8.5 v2(26,9) ; D13.2@24.6,13.5 25.45,13.5 v2(25.5,13.55) ; v2(125.466,12.377) 125.752,12.663 126.517,12.663 126.583,12.597 126.415,12.43 T4.2@126.415,10.9 ; T4.2@126.5,10.5 127.246,9.754 128.96,9.754 129.764,10.558 130.444,10.558 130.538,10.652 R64.1@130.763,10.652
  BOT w0.762: D14.2@24.5,8.5 25.5,8.5 v2(26,9) 26.5,9.5 26.5,13.55 v2(25.5,13.55) 24.888,13.55 24.679,13.341 24.6,13.42 D11.2@24.6,13.5
PRTDIN_N0: J27.4 J33.1 | length 6.2
  TOP w0.127: J27.4@189.745,65 189.749,64.996 v1(189.749,64.027)
  BOT w0.127: v1(189.749,64.027) 189.754,64.022 191.495,65.763 J33.1@191.495,68.5
PRTDIN_N1: J27.8 J41.1 | length 3.6
  TOP w0.127: J41.1@191.495,68.5 191.745,68.25 J27.8@191.745,65
PRTDIN_N2: J45.4 J51.1 | length 6.3
  TOP w0.127: J45.4@203.245,65 203.294,64.951 v1(203.294,64.092)
  BOT w0.127: v1(203.294,64.092) 203.344,64.042 203.344,65.599 205.495,67.75 J51.1@205.495,68.5
PRTDIN_N3: J45.8 J59.1 | length 3.6
  TOP w0.127: J45.8@205.245,65 205.245,68.25 J59.1@205.495,68.5
PRTDIN_N4: J63.4 J69.1 | length 6.1
  TOP w0.127: v1(216.69,64.097) 216.69,64.945 J63.4@216.745,65
  BOT w0.127: v1(216.69,64.097) 218.495,65.902 J69.1@218.495,68.5
PRTDIN_N5: J63.8 J77.1 | length 3.6
  TOP w0.127: J77.1@218.495,68.5 218.745,68.25 J63.8@218.745,65
PRTDIN_N6: J81.4 J87.1 | length 7.3
  TOP w0.127: v1(230.209,63.536) 230.209,64.965 J81.4@230.245,65
  BOT w0.127: v1(230.209,63.536) 230.174,63.5 230.174,64.79 231.995,66.611 J87.1@231.995,68.5
PRTDIN_N7: J81.8 J95.1 | length 3.6
  TOP w0.127: J95.1@231.995,68.5 232.245,68.25 J81.8@232.245,65
PRTDIN_N8: J28.4 J34.1
PRTDIN_N9: J28.8 J42.1
PRTDIN_N10: J46.4 J52.1
PRTDIN_N11: J46.8 J60.1
PRTDIN_N12: J64.4 J70.1
PRTDIN_N13: J64.8 J78.1
PRTDIN_N14: J82.4 J88.1
PRTDIN_N15: J82.8 J96.1
PRTDIN_P0: J27.3 J31.1 | length 3.6
  TOP w0.127: J27.3@189.245,65 189.249,65.004 v1@189.249,65.79
  BOT w0.127: J31.1@188.995,68.5 189.254,68.241 v1(189.254,65.795) v1@189.249,65.79
PRTDIN_P1: J27.7 J39.1 | length 4.5
  TOP w0.127: J39.1@188.995,68.5 188.995,67.75 189.931,66.814 190.022,66.814 191.245,65.591 J27.7@191.245,65
PRTDIN_P2: J45.3 J49.1 | length 3.6
  TOP w0.127: J45.3@202.745,65 202.745,65.555 202.879,65.689 v1(202.878,65.795)
  BOT w0.127: v1(202.878,65.795) 202.878,68.383 J49.1@202.995,68.5
PRTDIN_P3: J45.7 J57.1 | length 4.2
  TOP w0.127: J57.1@202.995,68.5 202.995,67.75 204.745,66 J45.7@204.745,65
PRTDIN_P4: J63.3 J67.1 | length 3.6
  TOP w0.127: J63.3@216.245,65 v1(216.245,65.599)
  BOT w0.127: J67.1@215.995,68.5 215.995,65.95 216.245,65.7 v1(216.245,65.599)
PRTDIN_P5: J63.7 J75.1 | length 4.4
  TOP w0.127: J75.1@215.995,68.5 215.995,67.75 217.255,66.49 217.255,66.361 218.158,65.457 218.158,65.087 J63.7@218.245,65
PRTDIN_P6: J81.3 J85.1 | length 3.6
  TOP w0.127: v1(229.643,65.795) 229.694,65.744 229.694,65.051 J81.3@229.745,65
  BOT w0.127: J85.1@229.495,68.5 229.495,66.044 229.643,65.896 v1(229.643,65.795)
PRTDIN_P7: J81.7 J93.1 | length 4.5
  TOP w0.127: J93.1@229.495,68.5 229.495,67.75 230.431,66.814 230.522,66.814 231.745,65.591 J81.7@231.745,65
PRTDIN_P8: J28.3 J32.1
PRTDIN_P9: J28.7 J40.1
PRTDIN_P10: J46.3 J50.1
PRTDIN_P11: J46.7 J58.1
PRTDIN_P12: J64.3 J68.1
PRTDIN_P13: J64.7 J76.1
PRTDIN_P14: J82.3 J86.1
PRTDIN_P15: J82.7 J94.1
RCC_MCO_1: IC14.100 | length 3.5
  TOP w0.127: IC14.100@132.328,67.194 v1(132.328,70.68)
RD_N: J103.6 R78.2 | length 189.8
  TOP w0.152: v1(94.933,91.524) 95.011,91.524 95.196,91.71 95.412,91.71 95.414,91.708 95.577,91.708 95.715,91.57 95.715,91.499 R78.2@95.929,91.285
  L2 w0.127: J103.6@16.079,18.945 16.079,17.721 15.159,16.801 15.159,16.396 15.189,16.367 15.189,14.658 14.116,13.586 12.395,13.586 11.522,14.459 11.44,14.541 11.44,23.814 14.567,26.942 14.567,36.632 13.755,37.445 12.868,38.332 7.922,38.332 6.051,40.202 4.76,41.493 4.76,62.365 4.425,62.7 4.146,62.979 4.146,86.266 11.709,93.829 13.948,96.068 53.024,96.068 90.308,96.068 91.562,94.814 91.661,94.715 93.271,93.105 95.586,93.105 95.791,92.9 95.791,91.992 95.52,91.72 95.194,91.72 94.998,91.524 v1(94.933,91.524)
RD_P: J103.3 R77.2 | length 186.2
  TOP w0.152: v1@94.865,92.309 94.921,92.309 95.241,91.989 95.528,91.989 95.53,91.987 95.666,91.987 95.959,92.28 R77.2@95.959,92.3
  L2 w0.127: J103.3@13.539,15.135 14.73,16.326 14.835,16.326 14.909,16.251 14.909,14.774 14,13.865 12.511,13.865 11.719,14.656 11.719,23.698 14.847,26.826 14.847,36.747 12.983,38.611 8.037,38.611 5.04,41.609 5.04,62.48 4.425,63.095 4.425,86.15 11.825,93.55 14.063,95.788 53.14,95.788 90.192,95.788 93.155,92.825 95.353,92.825 95.512,92.666 95.512,92.107 95.404,92 95.239,92 95.042,92.196 v1(94.978,92.196)
RMII_CRS_DV: IC14.43 R89.1 | length 18.3
  TOP w0.127: R89.1@109.91,95.522 110.429,95.522 111.315,94.636 111.315,89.864 v1(111.303,89.852) ; v1(111.391,84.43) 112.252,83.569 113.293,83.569 113.717,83.569 IC14.43@116.953,83.569
  BOT w0.127: v1@111.379,89.776 111.227,89.776 110.986,89.534 110.986,85.895 111.404,85.477 111.404,84.443 v1(111.391,84.43)
RMII_MDC: B3.1 IC14.27 IC16.13 | length 29
  TOP w0.127: IC16.13@106.37,95.7 106.382,95.687 v1(106.856,95.687) ; v1(112.073,95.499) 112.125,95.552 v1(114.022,95.552) 114.022,95.944 113.989,95.977 B3.1@113.989,96.413 ; v1(123.328,86.465) IC14.27@123.328,88.444
  L2 w0.127: v1(106.856,95.687) 107.637,95.687 107.92,95.97 111.602,95.97 v1(112.073,95.499) ; v1(113.975,86.95) 122.843,86.95 v1(123.328,86.465)
  BOT w0.127: v1@112.062,95.511 v1(112.073,95.499) ; v1(113.975,86.95) 113.995,86.97 113.995,87.997 113.995,95.525 v1(114.022,95.552)
RMII_MDIO: B4.1 IC14.36 IC16.12 R90.2@118.117,90.037 | length 20.6
  TOP w0.127: IC16.12@107.02,95.05 107.225,95.05 107.637,95.462 107.637,95.687 107.973,96.023 110.372,96.023 111.924,94.471 112.079,94.471 v1(112.151,94.4) ; v1@112.141,94.386 112.184,94.344 112.184,93.429 B4.1@112.217,93.396 ; R90.2@118.117,90.037 v1@118.56,90.037 ; v1(118.694,90.031) 118.694,89.903 118.828,89.769 IC14.36@118.828,88.444
  L2 w0.127: v1(111.845,90.41) 111.913,90.477 118.247,90.477 v1(118.694,90.031)
  BOT w0.127: v1(111.845,90.41) 111.845,94.083 112.151,94.388 v1(112.151,94.4)
RMII_REF_CLK: IC14.35 R93.1 | length 18.4
  TOP w0.127: R93.1@108.718,96.695 108.846,96.822 109.124,96.822 109.262,96.96 111.898,96.96 v1(112.674,96.184) ; v1(119.304,89.5) 119.316,89.488 119.316,88.455 IC14.35@119.328,88.444
  L2 w0.127: v1(113.346,89.463) 113.365,89.481 119.286,89.481 v1(119.304,89.5)
  BOT w0.127: v1(112.674,96.184) 113.346,95.512 v1(113.346,89.463)
RMII_RXD0: IC14.44 R85.1@109.446,92.55 | length 17
  TOP w0.127: R85.1@109.446,92.53 R85.1@109.446,92.55 110.656,92.55 v1(110.676,92.53) ; v1(110.676,83.101) 116.92,83.101 IC14.44@116.953,83.069
  BOT w0.127: v1(110.676,83.101) 110.694,83.119 110.694,92.513 v1(110.676,92.53)
RMII_RXD1: IC14.45 R86.1 | length 17.9
  TOP w0.127: R86.1@109.44,91.6 v1(110.096,91.6) ; v1(110.038,81.832) 110.774,82.569 115.703,82.569 IC14.45@116.953,82.569
  BOT w0.127: v1(110.038,81.832) 110.038,86.534 110.35,86.846 110.35,90.864 110.096,91.118 v1(110.096,91.6)
RMII_TX_EN: IC14.126 IC16.16 | length 52.6
  TOP w0.127: v1(104.847,96.358) 104.858,96.347 104.858,95.711 IC16.16@104.87,95.7 ; v1(136.812,77.569) IC14.126@138.203,77.569
  L2 w0.127: v1(104.847,96.358) 106.066,96.358 106.239,96.185 107.776,96.185 107.848,96.257 109.663,96.257 109.755,96.35 v1(111.845,96.35) ; v1(112.103,79.184) 117.956,79.184 118.372,79.6 133.48,79.6 135.511,77.569 v1(136.812,77.569)
  BOT w0.127: v1(111.845,96.35) 112.591,95.604 112.591,91.565 112.285,91.26 112.285,85.364 112.103,85.181 v1(112.103,79.184)
RMII_TXD0: IC14.128 IC16.17 | length 57.3
  TOP w0.127: v1(104.22,96.358) 104.22,96.257 104.293,96.184 104.293,95.776 IC16.17@104.37,95.7 ; v1(136.951,78.6) 136.967,78.584 138.187,78.584 IC14.128@138.203,78.569
  L2 w0.127: v1(104.22,96.358) 104.66,96.799 106.513,96.799 106.873,96.439 107.671,96.439 108.022,96.791 112.69,96.791 113.033,96.448 115.776,96.448 116.902,97.573 138.672,97.573 138.811,97.434 v1(138.811,96.888)
  BOT w0.127: v1(136.951,78.6) 138.151,79.8 138.151,92.672 138.811,93.333 v1(138.811,96.888)
RMII_TXD1: IC14.74 IC16.18 | length 16.4
  TOP w0.127: v1(103.454,97.069) 103.454,96.321 103.87,95.905 IC16.18@103.87,95.7 ; v1(118.044,68.327) 119.06,68.327 119.328,68.059 IC14.74@119.328,67.194
  L2 w0.127: v1(103.454,97.069) 103.777,97.392 115.234,97.392 115.393,97.233 115.393,97.177 115.581,96.989 v1(115.581,96.888)
RSTn: D5.2 IC14.25 J102.10 R70.2 | length 53.5
  TOP w0.127: v1(124.328,87.106) IC14.25@124.328,88.444 ; R70.2@150.626,69.121 151.78,69.121 152.32,69.661 J102.10@152.32,73.6
  L2 w0.127: v1(124.328,87.106) 124.88,86.554 127.688,86.554 128.258,87.124 140.389,87.124 v1(142.05,87.124)
  BOT w0.127: v1(142.05,87.124) 143.101,87.124 144.75,85.475 151.701,85.475 153.695,83.481 153.695,82.397 156.007,80.085 156.007,73.959 154.985,72.937 153.365,72.937 v1(152.343,71.916)
RTDIN_N00: C47_1.2 IC17_1.8 J104.4
RTDIN_N01: C47_2.2 IC17_2.8 J104.8
RTDIN_N02: C47_3.2 IC17_3.8 J104.12
RTDIN_N03: C47_4.2 IC17_4.8 J104.16
RTDIN_N04: C47_5.2 IC17_5.8 J104.20
RTDIN_N05: C47_6.2 IC17_6.8 J104.24
RTDIN_N06: C47_7.2 IC17_7.8 J104.28
RTDIN_N07: C47_8.2 IC17_8.8 J104.32
RTDIN_N08: C47_9.2 IC17_9.8 J104.38 | length 21
  TOP w0.152: 57.484,7.687 72.893,7.687 75.268,7.687 75.572,7.991 76.085,7.991 76.219,8.125 76.219,8.169 C47_9.2@76.58,8.53 76.346,8.764 76.346,8.807 76,9.153 IC17_9.8@76,9.85
RTDIN_N09: C47_10.2 IC17_10.8 J104.42
RTDIN_N10: C47_11.2 IC17_11.8 J104.46
RTDIN_N11: C47_12.2 IC17_12.8 J104.50
RTDIN_N12: C47_13.2 IC17_13.8 J104.54
RTDIN_N13: C47_14.2 IC17_14.8 J104.58
RTDIN_N14: C47_15.2 IC17_15.8 J104.62
RTDIN_N15: C47_16.2 IC17_16.8 J104.66
RTDIN_P00: C47_1.1 IC17_1.7 J104.3 R99_1.2
RTDIN_P01: C47_2.1 IC17_2.7 J104.7 R99_2.2
RTDIN_P02: C47_3.1 IC17_3.7 J104.11 R99_3.2
RTDIN_P03: C47_4.1 IC17_4.7 J104.15 R99_4.2
RTDIN_P04: C47_5.1 IC17_5.7 J104.19 R99_5.2
RTDIN_P05: C47_6.1 IC17_6.7 J104.23 R99_6.2
RTDIN_P06: C47_7.1 IC17_7.7 J104.27 R99_7.2
RTDIN_P07: C47_8.1 IC17_8.7 J104.31 R99_8.2
RTDIN_P08: C47_9.1 IC17_9.7 J104.37 R99_9.2 | length 19.4
  TOP w0.152: 70.25,8.7 71.353,8.7 v1(71.75,9.097) ; v1(72.869,8.404) 72.869,8.164 72.892,8.142 73.225,8.142 73.375,7.991 75.141,7.991 C47_9.1@75.68,8.53 75.35,8.86 IC17_9.7@75.35,9.85
  TOP w0.2: 59.285,8.404 69.953,8.404 70.25,8.7 R99_9.2@70.25,10.547
RTDIN_P09: C47_10.1 IC17_10.7 J104.41 R99_10.2
RTDIN_P10: C47_11.1 IC17_11.7 J104.45 R99_11.2
RTDIN_P11: C47_12.1 IC17_12.7 J104.49 R99_12.2
RTDIN_P12: C47_13.1 IC17_13.7 J104.53 R99_13.2
RTDIN_P13: C47_14.1 IC17_14.7 J104.57 R99_14.2
RTDIN_P14: C47_15.1 IC17_15.7 J104.61 R99_15.2
RTDIN_P15: C47_16.1 IC17_16.7 J104.65 R99_16.2
RXD: IC14.137 W2.2 | length 5.4
  TOP w0.127: IC14.137@138.203,83.069 143.529,83.069 v1(143.566,83.105)
SCKI: R105.2
SD_CK: IC14.113 J101.5 R54.1@161.32,110
SD_CMD: IC14.116 J101.3 R53.1 | length 3
  TOP w0.127: IC14.116@138.203,72.569 138.219,72.584 141.134,72.584 v1(141.15,72.6)
SD_D0: IC14.98 J101.7 R55.1
SD_D1: IC14.99 J101.8 R56.1
SD_D2: IC14.111 J101.1 R51.1
SD_D3: IC14.112 J101.2 R52.1
SD_SW: J101.12 R57.1
SDI: R102.2
SDO: R103.2
SERVMOD_3V3: D2.3 IC7.5 IC7.6 IC7.12 IC7.13 J100.K2 R17.2
SPI1_CS: R104.1
SPI1_MISO: IC14.42 IC17_1.14 IC17_2.14 IC17_3.14 IC17_4.14 IC17_5.14 IC17_6.14 IC17_7.14 IC17_8.14 IC17_9.14 IC17_10.14 IC17_11.14 IC17_12.14 IC17_13.14 IC17_14.14 IC17_15.14 IC17_16.14 R103.1 | length 5.6
  TOP w0.127: v1(112.824,84.069) 113.542,84.069 IC14.42@116.953,84.069
  TOP w0.2: IC17_9.14@78.35,12.85 78.407,12.907 78.534,12.78 v1(79.783,12.78)
SPI1_MOSI: IC14.135 IC17_1.11 IC17_2.11 IC17_3.11 IC17_4.11 IC17_5.11 IC17_6.11 IC17_7.11 IC17_8.11 IC17_9.11 IC17_10.11 IC17_11.11 IC17_12.11 IC17_13.11 IC17_14.11 IC17_15.11 IC17_16.11 R102.1 | length 3.5
  TOP w0.127: IC14.135@138.203,82.069 v1(139.268,82.067)
  TOP w0.2: IC17_9.11@78.35,10.9 78.581,10.9 78.65,10.831 78.65,9.012 v1(78.481,8.843)